# Altium PCB PCB-Tester-Relay-Board.PcbDoc (part 3 of 4)
Units mm, origin at the board's own origin, x right, y up, seen from the top; angles counter-clockwise.
Board outline 165 x 129 mm, 8 copper layers (Top Layer, Inner1, Inner2, Inner3, Inner4, Inner5, Inner6, Bottom Layer), stack 1.516 mm thick; 429 components, 373 nets, 1663 pads, 713 vias.
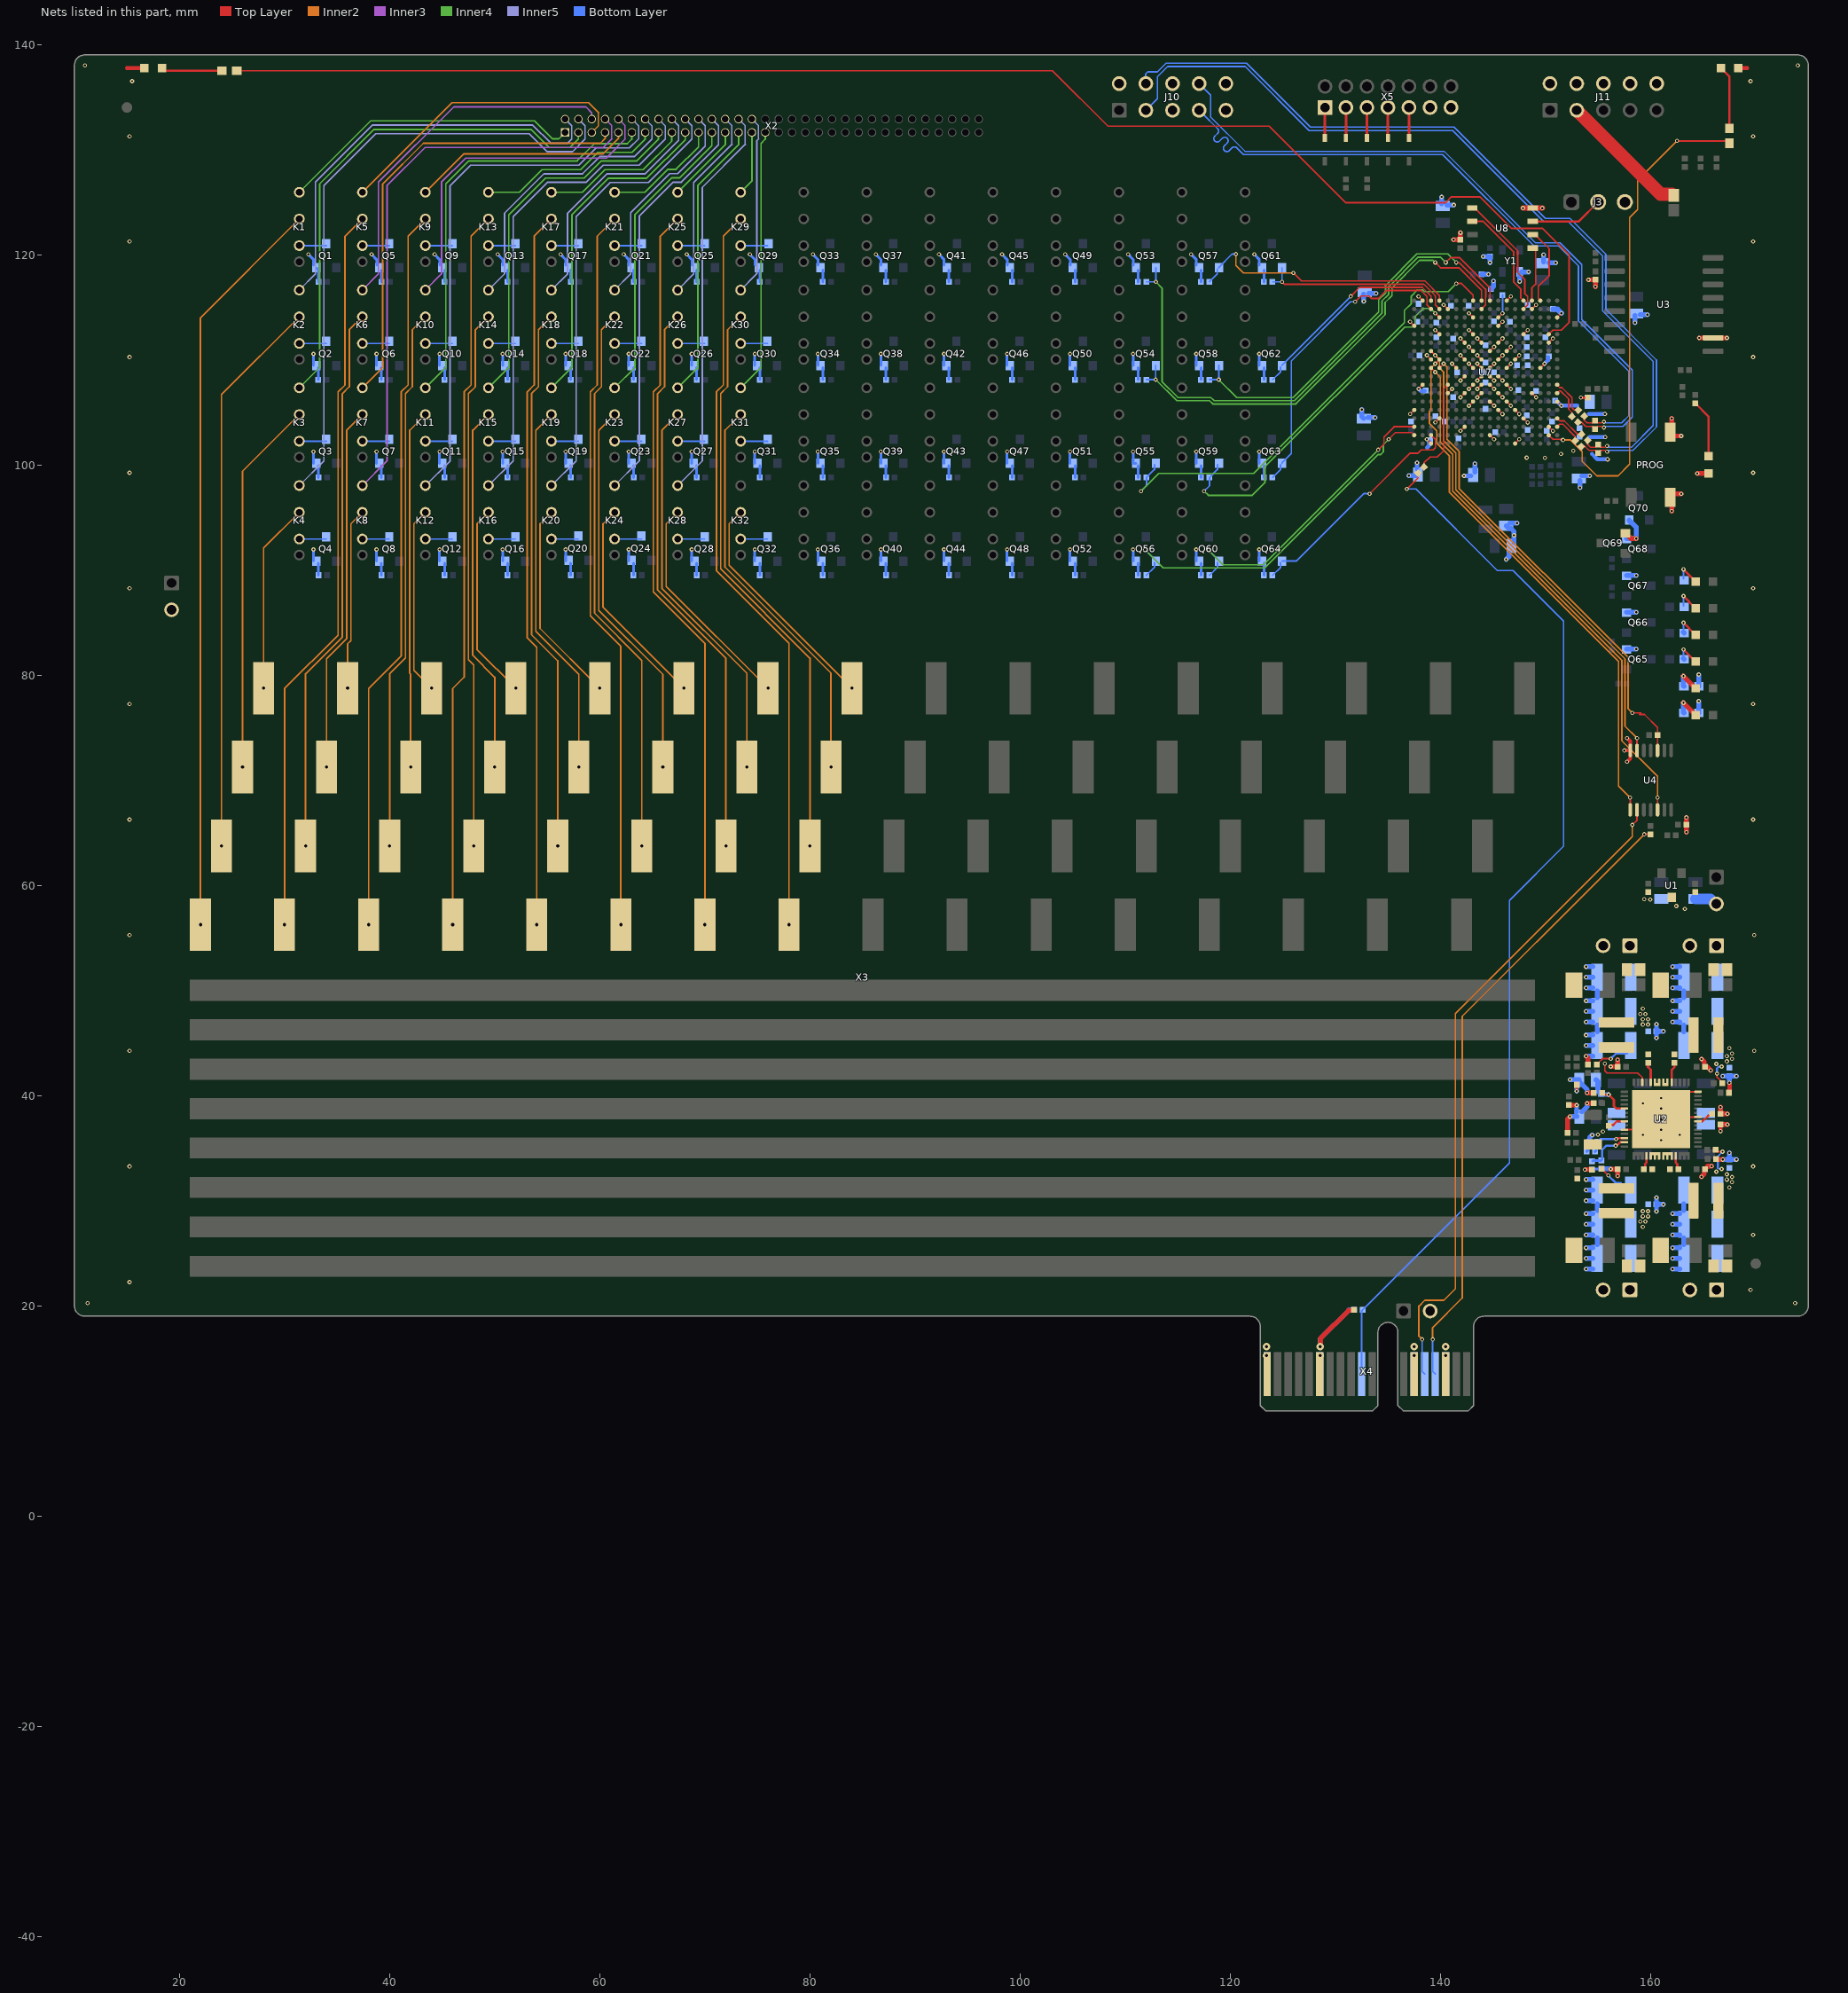
[diagram p9: the nets of this part, all layers, seen from the top]

## Via types
v1: diameter 0.4, hole 0.2, Top Layer to Bottom Layer, 631 vias
v2: diameter 0.7, hole 0.3, Top Layer to Bottom Layer, 82 vias

## Nets (pads, with @x,y where several pads share a name; then routed paths per layer and width w, separated by ;. In a path a pad name is that pad's centre, name@x,y a point inside that pad or via, vN(x,y) a via of type N, cw(c..) or ccw(c..) an arc to the next point about the centre after c; other vN are vias at no path point) (continued)
DRV53: Q53.1 R58.2 U7.A10 | length 53.5
  Top Layer w0.152: v1(140.5,119.25) 140.953,119.703 141.824,119.703 144.7,116.827 U7.A10@144.7,115.621
  Inner4 w0.152: v1(112.916,117.406) 113.5,116.822 113.5,107.932 115.028,106.404 118.148,106.404 118.454,106.098 126.112,106.098 134.426,114.412 134.426,115.576 135.079,116.229 135.079,116.955 137.883,119.759 139.991,119.759 v1(140.5,119.25)
  Bottom Layer w0.152: R58.2@112.025,117.406 v1(112.916,117.406) Q53.1@112.916,118.746
DRV54: Q54.1 R59.2 U7.A9 | length 43.1
  Top Layer w0.152: v1(139.5,119.25) 140,118.75 141.75,118.75 143.9,116.6 U7.A9@143.9,115.621
  Inner4 w0.152: v1(112.897,108.104) 114.902,106.1 118.022,106.1 118.328,105.794 126.239,105.794 134.731,114.286 134.731,115.45 135.384,116.103 135.384,116.828 138.009,119.454 139.287,119.454 139.491,119.25 v1(139.5,119.25)
  Bottom Layer w0.152: R59.2@112.006,108.104 v1(112.897,108.104) Q54.1@112.897,109.444
DRV55: Q55.1 R60.2 U7.A8 | length 45
  Top Layer w0.152: v1(141.5,117.25) 142,117.25 143.1,116.15 U7.A8@143.1,115.621
  Inner4 w0.152: v1(111.5,97.5) 113.19,99.19 122.235,99.19 136.57,113.524 136.57,114.688 137.223,115.341 137.223,116.067 137.796,116.64 138.295,116.64 138.462,116.474 140.724,116.474 v1(141.5,117.25)
  Bottom Layer w0.152: v1(111.5,97.5) 112.025,98.025 112.025,98.802 112.776,99.553 Q55.1@112.776,100.002
DRV56: Q56.1 R61.2 U7.U1 | length 34.7
  Top Layer w0.152: v1(135.069,102.431) 135.697,103.059 137.261,103.059 U7.U1@137.5,102.821
  Inner4 w0.152: v1(111.868,91.935) 113.611,90.192 123.261,90.192 134.035,100.966 134.289,100.966 134.563,101.24 134.563,101.925 v1(135.069,102.431)
  Bottom Layer w0.152: v1(111.868,91.935) Q56.1@112.589,91.214 ; R61.2@112.025,89.5 112.776,90.251 Q56.1@112.776,90.7
DRV57: Q57.1 R62.2 U7.A4 | length 25.8
  Top Layer w0.152: v1(126,118.25) 126.761,117.489 138.525,117.489 139.9,116.114 U7.A4@139.9,115.621
  Inner2 w0.152: v1(120.525,120.047) 120.525,118.975 121.25,118.25 v1(126,118.25)
  Bottom Layer w0.152: R62.2@118.006,117.406 118.757,118.157 Q57.1@118.757,118.606 ; Q57.1@118.916,118.746 118.916,118.796 120.167,120.047 v1(120.525,120.047)
DRV58: Q58.1 R63.2 U7.B9 | length 38.5
  Top Layer w0.127: 144.3,115.221 144.3,115.953
  Top Layer w0.152: v1(141.5,119.25) 141.523,119.227 141.778,119.227 144.3,116.706 144.3,115.953 ; U7.B9@143.9,114.821 144.3,115.221
  Inner4 w0.152: v1(118.897,108.104) 120.598,106.403 125.986,106.403 134.122,114.539 134.122,115.703 134.774,116.355 134.774,117.081 137.757,120.063 140.687,120.063 v1(141.5,119.25)
  Bottom Layer w0.152: R63.2@118.006,108.104 v1(118.897,108.104) Q58.1@118.897,109.444
DRV59: Q59.1 R64.2 U7.C4 | length 34.6
  Top Layer w0.152: v1(139.5,114.421) U7.C4@139.9,114.021
  Inner4 w0.152: v1(117.5,97.5) 117.899,97.101 122.088,97.101 123.291,98.304 123.291,99.801 136.599,113.11 137.286,113.11 137.576,113.399 137.576,114.097 138.363,114.884 139.037,114.884 v1(139.5,114.421)
  Bottom Layer w0.152: v1(117.5,97.5) 118.025,98.025 118.025,98.802 118.776,99.553 Q59.1@118.776,100.002
DRV60: Q60.1 R65.2 U7.T1 | length 28.6
  Top Layer w0.152: v1(134.069,101.431) 134.616,101.979 134.616,102.654 135.583,103.621 U7.T1@137.5,103.621
  Inner4 w0.152: v1(117.868,91.935) 119.306,90.497 123.135,90.497 v1(134.069,101.431)
  Bottom Layer w0.152: v1(117.868,91.935) Q60.1@118.589,91.214 ; R65.2@118.025,89.5 118.776,90.251 Q60.1@118.776,90.7
DRV61: Q61.1 R66.2 U7.B4 | length 18.8
  Top Layer w0.127: 139.5,115.221 139.5,116.021
  Top Layer w0.152: v1(124.916,117.406) 125.138,117.184 138.399,117.184 139.5,116.083 139.5,116.021 ; 139.5,115.221 U7.B4@139.9,114.821
  Bottom Layer w0.152: R66.2@124.025,117.406 v1(124.916,117.406) Q61.1@124.916,118.746
DRV62: Q62.1 R67.2 U7.A3 | length 19.6
  Top Layer w0.152: v1(131.453,116.03) 132.302,116.879 138.272,116.879 139.1,116.052 U7.A3@139.1,115.621
  Bottom Layer w0.152: R67.2@124.025,108.104 124.776,108.855 Q62.1@124.776,109.304 ; Q62.1@124.916,109.444 124.916,109.494 Q62.1@125.24,109.818 ; Q62.1@125.241,109.818 v1(131.453,116.03)
DRV63: Q63.1 R68.2 U7.B3 | length 29.1
  Top Layer w0.127: 138.7,115.221 138.7,116.021
  Top Layer w0.152: v1(131.877,115.506) 132.424,116.053 133.197,116.053 133.432,115.818 134.064,115.818 134.82,116.574 138.146,116.574 138.7,116.021 ; 138.7,115.221 U7.B3@139.1,114.821
  Bottom Layer w0.152: R68.2@124.025,98.802 124.776,99.553 Q63.1@124.776,100.002 ; Q63.1@124.916,100.142 124.916,100.192 125.24,100.516 125.804,101.08 125.804,109.878 131.432,115.506 v1(131.877,115.506)
DRV64: Q64.1 R69.2 U7.U3 | length 21.9
  Top Layer w0.127: 139.5,101.621 139.5,102.421
  Top Layer w0.152: v1(133.25,97.25) 137.115,101.115 137.865,101.115 138.169,101.418 139.297,101.418 139.5,101.621 ; U7.U3@139.1,102.821 139.5,102.421
  Bottom Layer w0.152: R69.2@124.025,89.5 124.776,90.251 Q64.1@124.776,90.7 ; Q64.1@124.916,90.84 126.27,90.84 132.68,97.25 v1(133.25,97.25)
ECLK_4: U7.A14 U8.6 | length 10.2
  Top Layer w0.152: U8.6@143.029,123.156 144.065,123.156 146.955,120.266 146.955,117.395 147.648,116.702 147.648,115.872 U7.A14@147.9,115.621
ECS_4: U7.A15 U8.1 | length 5
  Top Layer w0.152: U7.A15@148.7,115.621 148.7,116.847 149.056,117.204 U8.1@149.056,120.438
ESI_4: U7.B14 U8.5 | length 11.6
  Top Layer w0.127: 148.3,115.221 148.3,116.021
  Top Layer w0.152: U8.5@143.454,124.248 147.346,120.355 147.346,118.309 148.008,117.647 148.008,116.312 148.3,116.021 ; U7.B14@147.9,114.821 148.3,115.221
ESO_4: U7.A16 U8.2 | length 7.1
  Top Layer w0.152: U8.2@149.193,121.708 150.347,120.555 150.347,118.017 149.299,116.97 149.299,115.839 U7.A16@149.5,115.638
F_CS_4: R122.1 U4.3 U7.J4 | length 46.5
  Top Layer w0.152: U7.J4@139.9,109.221 v1(140.3,109.621) ; v1(158.25,76.4) 159.1,76.4 ; 158.95,76.25 159.414,76.25 160.65,75.013 U4.3@160.65,72.825
  Inner2 w0.152: v1(140.3,109.621) 140.61,109.311 140.61,102.438 141.767,101.28 141.767,97.758 157.861,81.664 157.861,76.789 v1(158.25,76.4)
F_HS1_4_N: R98.1 U7.M18 | length 3.3
  Top Layer w0.14: U7.M18@151.104,106.821 151.312,107.029 151.428,107.029 152.193,106.264 152.193,105.294 152.499,104.988 R98.1@152.499,104.603
F_HS1_4_P: R96.1 U7.L18 | length 3.6
  Top Layer w0.14: U7.L18@151.095,107.597 151.345,107.346 151.559,107.346 152.511,106.395 152.511,105.425 152.732,105.204 R96.1@153.112,105.204
F_HS2_4_N: R101.1 U7.T18 | length 2.7
  Top Layer w0.14: U7.T18@151.1,103.621 151.341,103.862 151.644,103.862 152.817,102.689 R101.1@152.817,102.304
F_HS2_4_P: R99.1 U7.R18 | length 3
  Top Layer w0.14: U7.R18@151.1,104.421 151.341,104.18 151.775,104.18 153.05,102.905 R99.1@153.43,102.905
F_MISO_4: U4.12 U7.J3 | length 51
  Top Layer w0.152: U7.J3@139.1,109.221 v1(139.5,108.821) ; U4.12@160.65,67.175 v1(160.65,68.35)
  Inner2 w0.152: v1(139.5,108.821) 139.978,108.342 139.978,102.161 141.158,100.982 141.158,97.505 157.251,81.412 157.251,73.76 160.65,70.361 v1(160.65,68.35)
F_MOSI_4: U4.8 U7.H4 | length 51.1
  Top Layer w0.152: v1(139.5,109.621) U7.H4@139.9,110.021 ; U4.8@158.05,67.175 v1(158.05,68.35)
  Inner2 w0.127: 139.1,105.221 139.1,109.221
  Inner2 w0.152: 139.1,105.221 138.955,105.076 138.955,103.901 139.64,103.216 139.64,102.035 140.853,100.823 140.853,97.379 156.946,81.286 156.946,69.454 v1(158.05,68.35) ; 139.1,109.221 v1(139.5,109.621)
F_SCLK_4: U4.6 U7.G3 | length 46.1
  Top Layer w0.152: U7.G3@139.1,110.821 v1(139.5,110.421) ; U4.6@158.7,72.825 v1(158.7,74)
  Inner2 w0.127: 139.9,109.221 139.9,110.021
  Inner2 w0.152: v1(139.5,110.421) 139.9,110.021 ; 139.9,109.221 140.293,108.827 140.293,102.29 141.462,101.121 141.462,97.632 157.556,81.538 157.556,75.144 v1(158.7,74)
FPGACLK_4: R43.2 U7.C11 | length 2.3
  Top Layer w0.152: U7.C11@145.5,114.021 v1(145.9,114.421)
  Bottom Layer w0.152: v1(145.9,114.421) R43.2@145.9,116.155
FUN_1: R127.1 R129.2 X4.A10 | length 101.7
  Top Layer w0.152: v1(136.8,97.7) 137.867,98.767 R127.1@137.867,99.217
  Bottom Layer w0.152: X4.A10@132.5,13.5 132.5,19.5 R129.2@132.6,19.6 146.567,33.567 146.567,58.567 151.718,63.718 151.718,85.132 146.9,89.95 145.4,89.95 137.65,97.7 v1(136.8,97.7)
FUNC_4: R127.2 U7.L5 | length 9.2
  Top Layer w0.127: 140.3,101.35 140.3,107.221
  Top Layer w0.152: R127.2@138.433,99.783 138.433,100.183 139,100.75 139.7,100.75 140.3,101.35 ; 140.3,107.221 U7.L5@140.7,107.621
GND: C1.2 C2.2 C3.2 C4.2 C6.2 C7.2 C8.2 C9.2 C10.2 C11.2 C12.2 C13.2 C14.2 C15.2 C16.2 C17.2 C18.2 C20.2 C21.2 C22.2 C23.2 C24.2 C25.2 C26.2 C27.2 C28.2 C29.2 C30.2 C31.2 C32.2 C33.2 C35.2 C36.2 C37.2 C38.2 C39.2 C40.2 C41.2 C42.2 C44.2 C45.2 C46.2 C47.2 C48.2 C49.2 C50.2 C51.2 C52.2 C53.2 C54.1 C55.2 C56.1 C310.2 C311.2 C312.2 C313.2 C314.2 C315.2 C316.2 C317.2 C318.2 C430.2 C431.2 C432.2 C433.2 C434.2 C435.2 C436.2 C437.2 C438.2 C439.2 C440.2 C441.2 C442.2 C443.2 C444.2 C445.2 C446.2 C447.2 C448.2 C449.2 C450.2 C451.2 C452.2 C453.2 C454.2 C455.2 C456.2 C457.2 C458.2 C459.2 C460.2 C461.2 C462.2 C463.2 C464.2 C465.2 C466.2 C467.2 C468.2 C469.2 C470.1 C470.2 C471.2 C476.2 C477.2 D5.2 D6.2 D7.1 D8.1 D9.1 D10.1 D11.1 DONE.2 J3.3 J10.2 J10.5 J10.6 J10.9 J10.10 J11.2 J11.4 J11.6 J11.8 J11.10 PROG.3 PROG.4 Q1.2 Q2.2 Q3.2 Q4.2 Q5.2 Q6.2 Q7.2 Q8.2 Q9.2 Q10.2 Q11.2 Q12.2 Q13.2 Q14.2 Q15.2 Q16.2 Q17.2 Q18.2 Q19.2 Q20.2 Q21.2 Q22.2 Q23.2 Q24.2 Q25.2 Q26.2 Q27.2 Q28.2 Q29.2 Q30.2 Q31.2 Q32.2 Q33.2 Q34.2 Q35.2 Q36.2 Q37.2 Q38.2 Q39.2 Q40.2 Q41.2 Q42.2 Q43.2 Q44.2 Q45.2 Q46.2 Q47.2 Q48.2 Q49.2 Q50.2 Q51.2 Q52.2 Q53.2 Q54.2 Q55.2 Q56.2 Q57.2 Q58.2 Q59.2 Q60.2 Q61.2 Q62.2 Q63.2 Q64.2 Q65.2 Q66.2 Q67.2 Q68.2 Q69.2 Q70.2 R1.1 R2.1 R3.1 R4.1 R5.1 R6.1 R7.1 R8.1 R9.1 R10.1 R11.1 R12.1 R13.1 R14.1 R15.1 R16.1 R17.1 R18.1 R19.1 R20.1 R21.1 R22.1 R23.1 R24.1 R25.1 R26.1 R27.1 R28.1 R29.1 R30.1 R31.1 R32.1 R33.1 R34.1 R35.1 R36.1 R37.1 R38.1 R39.1 R40.1 R41.1 R42.1 R47.2 R48.1 R49.1 R50.1 R51.1 R52.1 R53.1 R54.1 R55.1 R56.1 R57.1 R58.1 R59.1 R60.1 R61.1 R62.1 R63.1 R64.1 R65.1 R66.1 R67.1 R68.1 R69.1 R70.1 R75.2 R76.1 R83.2 R84.1 R86.1 R87.1 R90.2 R91.1 R110.1 R125.1 R126.1 R129.1 R130.1 TP1.2 TP2.2 TP3.2 TP4.2 TP5.2 TP6.2 TP7.2 U1.3 U2.22 U2.28 U2.40 U2.50 U2.52 U2.57 U3.10 U4.7 U7.A2 U7.A12 U7.B5 U7.B15 U7.C8 U7.C18 U7.D1 U7.D11 U7.E4 U7.E8 U7.E14 U7.F7 U7.F9 U7.F11 U7.F17 U7.G8 U7.G10 U7.G12 U7.H3 U7.H7 U7.H9 U7.H11 U7.H13 U7.J6 U7.J8 U7.J9 U7.J10 U7.J12 U7.J16 U7.K7 U7.K9 U7.K10 U7.K11 U7.L2 U7.L8 U7.L9 U7.L10 U7.L12 U7.M5 U7.M7 U7.M9 U7.M11 U7.M15 U7.N8 U7.N10 U7.N12 U7.N18 U7.P1 U7.P11 U7.P13 U7.R4 U7.R14 U7.T7 U7.T17 U7.U10 U7.V3 U7.V13 U8.4 X4.A1 X4.A6 X4.A13 X4.A16 X4.B1 X4.B6 X4.B13 X4.B16 X5.1 X5.3 X5.5 X5.7 X5.9 X5.11 X5.13 Y1.2 | length 335.3
  Top Layer w0.152: v1(137.1,113.621) U7.D1@137.5,113.221 ; v1(137.104,104.825) U7.P1@137.504,105.225 ; v1(137.9,116.021) U7.A2@138.3,115.621 ; v1(137.904,107.225) U7.L2@138.304,107.625 ; v1(138.7,102.421) U7.V3@139.1,102.021 ; v1(138.704,110.425) U7.H3@139.104,110.025 ; v1(139.5,112.821) U7.E4@139.9,112.421 ; v1(139.504,104.025) U7.R4@139.904,104.425 ; v1(140.3,115.221) U7.B5@140.7,114.821 ; U7.M5@140.7,106.821 v1(141.1,107.221) ; v1(141.1,109.621) U7.J6@141.5,109.221 ; v1(141.9,106.421) U7.M7@142.3,106.821 ; v1(141.9,108.021) U7.K7@142.3,108.421 ; v1(141.9,110.421) U7.H7@142.3,110.021 ; v1(141.9,112.021) U7.F7@142.3,111.621 ; v1(141.904,103.225) U7.T7@142.304,103.625 ; v1(142.7,105.621) U7.N8@143.1,106.021 ; v1(142.7,107.221) U7.L8@143.1,107.621 ; v1(142.7,109.621) U7.J8@143.1,109.221 ; v1(142.7,111.221) U7.G8@143.1,110.821 ; v1(142.7,112.821) U7.E8@143.1,112.421 ; v1(142.7,114.421) U7.C8@143.1,114.021 ; v1(143.5,106.421) U7.M9@143.9,106.821 ; v1(143.5,107.221) U7.L9@143.9,107.621 ; v1(143.5,108.021) U7.K9@143.9,108.421 ; v1(143.5,109.621) U7.J9@143.9,109.221 ; v1(143.5,110.421) U7.H9@143.9,110.021 ; v1(143.5,112.021) U7.F9@143.9,111.621 ; U7.U10@144.7,102.821 v1(145.1,102.421) ; U7.N10@144.7,106.021 v1(145.1,105.621) ; U7.L10@144.7,107.621 v1(145.1,107.221) ; U7.K10@144.7,108.421 v1(145.1,108.021) ; U7.J10@144.7,109.221 v1(145.1,109.621) ; U7.G10@144.7,110.821 v1(145.1,111.221) ; U7.P11@145.5,105.221 v1(145.9,104.821) ; U7.M11@145.5,106.821 v1(145.9,106.421) ; U7.K11@145.5,108.421 v1(145.9,108.021) ; U7.H11@145.5,110.021 v1(145.9,110.421) ; U7.F11@145.5,111.621 v1(145.9,112.021) ; U7.D11@145.5,113.221 v1(145.9,113.621) ; U7.N12@146.3,106.021 v1(146.7,105.621) ; U7.L12@146.3,107.621 v1(146.7,107.221) ; U7.J12@146.3,109.221 v1(146.7,109.621) ; U7.G12@146.3,110.821 v1(146.7,111.221) ; U7.A12@146.3,115.621 v1(146.7,116.021) ; U7.V13@147.1,102.021 v1(147.5,102.421) ; U7.P13@147.1,105.221 v1(147.5,104.821) ; U7.H13@147.1,110.021 v1(147.5,110.421) ; U7.R14@147.9,104.421 v1(148.3,104.021) ; U7.E14@147.9,112.421 v1(148.3,112.821) ; U7.M15@148.7,106.821 v1(149.1,106.421) ; U7.B15@148.7,114.821 v1(149.1,115.221) ; U7.J16@149.5,109.221 v1(149.9,109.621) ; U7.T17@150.3,103.621 v1(150.7,103.221) ; U7.F17@150.3,111.621 v1(150.7,112.021) ; U7.N18@151.1,106.021 v1(151.5,105.621) ; U7.C18@151.1,114.021 v1(151.5,114.421) ; v1(155.627,43.019) 155.627,42.361 155.844,42.143 158.759,42.143 159.199,41.704 U2.40@159.199,41.251 ; U2.52@157.5,36.75 160,36.75 v1(161,37.75) U2.57@161.2,37.95 ; U2.22@164.5,37.95 U2.57@161.2,37.95 ; U2.28@164.5,40.35 163.6,40.35 U2.57@161.2,37.95
  Top Layer w0.22: C18.2@156,37.1 156.113,37.213 156.463,37.213 156.8,37.55 U2.50@157.5,37.55
  Top Layer w0.254: D10.1@129,131.1 X5.1@129,134 ; D7.1@131,131.1 X5.3@131,134 ; D8.1@133,131.1 X5.5@133,134 ; D9.1@135,131.1 X5.7@135,134 ; D11.1@137,131.1 X5.9@137,134 ; v1(152.954,40.419) 152.958,40.424 152.958,41.017 R47.2@152.962,41.021 ; v1(153.356,106.387) R110.1@154.037,106.387
  Top Layer w0.35: 14.99,137.743 16.668,137.743 D6.2@16.675,137.75 ; v1(157.5,72.825) U4.7@158.05,72.825 ; v1(157.75,71.75) 158.05,72.05 U4.7@158.05,72.825 ; v1(157.75,74) 158.05,73.7 U4.7@158.05,72.825 ; D5.2@168.325,137.75 169.2,137.75
  Top Layer w0.406: v1(153.75,32.95) R91.1@154.4,32.95 ; v1(166.65,36.6) C32.2@166.65,37.25 ; R76.1@167.5,40.343 v1(167.5,41.2)
  Top Layer w0.457: v2(128.55,16.1) 128.578,16.128 128.578,16.878 131.254,19.554 131.704,19.554 R130.1@131.75,19.6 ; v1(141.234,121.413) C54.1@141.897,121.413 v1(141.897,122.077) ; R83.2@152.086,36.45 152.086,37.751 v1(152.323,37.989) ; R75.2@152.216,39.113 152.248,39.081 v1(152.954,39.081) ; R47.2@152.962,41.021 R47.2@152.996,40.988 ; v1(153.85,43.75) 154.014,43.586 R70.1@154.014,42.939 ; v1(153.95,39.25) C29.2@154.6,39.25 ; v1(153.95,40.25) C31.2@154.6,40.25 ; v1(154.086,117.6) C55.2@154.75,117.6 v1(154.75,116.936) ; v1(156.2,33) C46.2@156.85,33 v1(156.85,32.35) ; v1(156.2,42.75) C8.2@156.85,42.75 v1(156.85,43.4) ; v1(162,95.586) PROG.3@162,96.25 ; PROG.4@162,103.75 v1(162,104.414) ; PROG.3@162.25,97.25 v1(162.914,97.25) ; PROG.4@162.25,102.75 v1(162.914,102.75) ; v1(163.4,65.045) C56.1@163.4,65.75 v1(163.4,66.456) ; v1(164.436,99.175) DONE.2@165.5,99.175 ; v1(164.615,112.075) U3.10@165.315,112.075 ; v1(164.824,32.277) 164.84,32.277 165.107,32.545 C37.2@165.107,32.957 ; v1(164.839,43.469) 165.104,43.204 C22.2@165.104,42.75 ; C37.2@165.15,33 165.425,33.275 v1(165.8,33.275) ; C22.2@165.15,42.75 165.355,42.75 v1(165.706,42.399) ; R84.1@166.211,33.96 166.258,33.913 166.484,33.913 166.498,33.9 v1(166.85,33.9) ; U3.10@166.555,112.075 v1(167.255,112.075) ; C32.2@166.65,37.25 v1(167.3,37.25) ; v1(166.65,38.9) C33.2@166.65,38.25 v1(167.3,38.25) ; R76.1@167.449,40.261 R76.1@167.495,40.308
  Top Layer w0.47: Q69.2@157.6,93.5 157.65,93.5 157.815,93.335 157.815,93.285 158.126,92.974 v1(158.63,92.974)
  Top Layer w0.508: v1(147.85,124.426) U8.4@148.77,124.426 v1(149.69,124.426)
  Bottom Layer w0.254: v1(32.277,120.016) 32.765,119.528 Q1.2@32.765,118.998 ; Q4.2@32.75,90.84 v1(32.75,91.948) ; Q3.2@32.75,100.142 v1(32.75,101.25) ; Q2.2@32.75,109.444 v1(32.75,110.552) ; Q1.2@33.016,118.746 33.225,118.538 R1.1@33.225,117.406 ; R4.1@33.225,89.5 Q4.2@33.225,90.632 ; R3.1@33.225,98.802 Q3.2@33.225,99.934 ; R2.1@33.225,108.104 Q2.2@33.225,109.236 ; v1(38.277,120.016) 38.765,119.528 Q5.2@38.765,118.998 ; Q8.2@38.75,90.84 v1(38.75,91.948) ; Q7.2@38.75,100.142 v1(38.75,101.25) ; Q6.2@38.75,109.444 v1(38.75,110.552) ; R8.1@39.225,89.5 Q8.2@39.225,90.632 ; R7.1@39.225,98.802 Q7.2@39.225,99.934 ; R6.1@39.225,108.104 Q6.2@39.225,109.236 ; R5.1@39.225,117.406 Q5.2@39.225,118.538 ; v1(44.277,120.016) 44.765,119.528 Q9.2@44.765,118.998 ; Q12.2@44.75,90.84 v1(44.75,91.948) ; Q11.2@44.75,100.142 v1(44.75,101.25) ; Q10.2@44.75,109.444 v1(44.75,110.552) ; R12.1@45.225,89.5 Q12.2@45.225,90.632 ; R11.1@45.225,98.802 Q11.2@45.225,99.934 ; R10.1@45.225,108.104 Q10.2@45.225,109.236 ; R9.1@45.225,117.406 Q9.2@45.225,118.538 ; v1(50.277,120.016) 50.765,119.528 Q13.2@50.765,118.998 ; Q16.2@50.75,90.84 v1(50.75,91.948) ; Q15.2@50.75,100.142 v1(50.75,101.25) ; Q14.2@50.75,109.444 v1(50.75,110.552) ; R16.1@51.225,89.5 Q16.2@51.225,90.632 ; R15.1@51.225,98.802 Q15.2@51.225,99.934 ; R14.1@51.225,108.104 Q14.2@51.225,109.236 ; R13.1@51.225,117.406 Q13.2@51.225,118.538 ; v1(56.277,120.016) 56.765,119.528 Q17.2@56.765,118.998 ; Q20.2@56.75,90.84 v1(56.75,91.948) ; Q19.2@56.75,100.142 v1(56.75,101.25) ; Q18.2@56.75,109.444 v1(56.75,110.552) ; R20.1@57.225,89.5 Q20.2@57.225,90.632 ; R19.1@57.225,98.802 Q19.2@57.225,99.934 ; R18.1@57.225,108.104 Q18.2@57.225,109.236 ; R17.1@57.225,117.406 Q17.2@57.225,118.538 ; v1(62.277,120.016) 62.765,119.528 Q21.2@62.765,118.998 ; Q24.2@62.75,90.84 v1(62.75,91.948) ; Q23.2@62.75,100.142 v1(62.75,101.25) ; Q22.2@62.75,109.444 v1(62.75,110.552) ; R24.1@63.225,89.5 Q24.2@63.225,90.632 ; R23.1@63.225,98.802 Q23.2@63.225,99.934 ; R22.1@63.225,108.104 Q22.2@63.225,109.236 ; R21.1@63.225,117.406 Q21.2@63.225,118.538 ; v1(68.277,120.016) 68.765,119.528 Q25.2@68.765,118.998 ; Q28.2@68.75,90.84 v1(68.75,91.948) ; Q27.2@68.75,100.142 v1(68.75,101.25) ; Q26.2@68.75,109.444 v1(68.75,110.552) ; R28.1@69.225,89.5 Q28.2@69.225,90.632 ; R27.1@69.225,98.802 Q27.2@69.225,99.934 ; R26.1@69.225,108.104 Q26.2@69.225,109.236 ; R25.1@69.225,117.406 Q25.2@69.225,118.538 ; v1(74.277,120.016) 74.765,119.528 Q29.2@74.765,118.998 ; Q32.2@74.75,90.84 v1(74.75,91.948) ; Q31.2@74.75,100.142 v1(74.75,101.25) ; Q30.2@74.75,109.444 v1(74.75,110.552) ; R32.1@75.225,89.5 Q32.2@75.225,90.632 ; R31.1@75.225,98.802 Q31.2@75.225,99.934 ; R30.1@75.225,108.104 Q30.2@75.225,109.236 ; R29.1@75.225,117.406 Q29.2@75.225,118.538 ; v1(80.277,120.016) 80.765,119.528 Q33.2@80.765,118.998 ; Q36.2@80.75,90.84 v1(80.75,91.948) ; Q35.2@80.75,100.142 v1(80.75,101.25) ; Q34.2@80.75,109.444 v1(80.75,110.552) ; R36.1@81.225,89.5 Q36.2@81.225,90.632 ; R35.1@81.225,98.802 Q35.2@81.225,99.934 ; R34.1@81.225,108.104 Q34.2@81.225,109.236 ; R33.1@81.225,117.406 Q33.2@81.225,118.538 ; v1(86.277,120.016) 86.765,119.528 Q37.2@86.765,118.998 ; Q40.2@86.75,90.84 v1(86.75,91.948) ; Q39.2@86.75,100.142 v1(86.75,101.25) ; Q38.2@86.75,109.444 v1(86.75,110.552) ; R40.1@87.225,89.5 Q40.2@87.225,90.632 ; R39.1@87.225,98.802 Q39.2@87.225,99.934 ; R38.1@87.225,108.104 Q38.2@87.225,109.236 ; R37.1@87.225,117.406 Q37.2@87.225,118.538 ; v1(92.277,120.016) 92.765,119.528 Q41.2@92.765,118.998 ; Q44.2@92.75,90.84 v1(92.75,91.948) ; Q43.2@92.75,100.142 v1(92.75,101.25) ; Q42.2@92.75,109.444 v1(92.75,110.552) ; R49.1@93.225,89.5 Q44.2@93.225,90.632 ; R48.1@93.225,98.802 Q43.2@93.225,99.934 ; R42.1@93.225,108.104 Q42.2@93.225,109.236 ; R41.1@93.225,117.406 Q41.2@93.225,118.538 ; v1(98.277,120.016) 98.765,119.528 Q45.2@98.765,118.998 ; Q48.2@98.75,90.84 v1(98.75,91.948) ; Q47.2@98.75,100.142 v1(98.75,101.25) ; Q46.2@98.75,109.444 v1(98.75,110.552) ; R53.1@99.225,89.5 Q48.2@99.225,90.632 ; R52.1@99.225,98.802 Q47.2@99.225,99.934 ; R51.1@99.225,108.104 Q46.2@99.225,109.236 ; R50.1@99.225,117.406 Q45.2@99.225,118.538 ; v1(104.277,120.016) 104.765,119.528 Q49.2@104.765,118.998 ; Q52.2@104.75,90.84 v1(104.75,91.948) ; Q51.2@104.75,100.142 v1(104.75,101.25) ; Q50.2@104.75,109.444 v1(104.75,110.552) ; R57.1@105.225,89.5 Q52.2@105.225,90.632 ; R56.1@105.225,98.802 Q51.2@105.225,99.934 ; R55.1@105.225,108.104 Q50.2@105.225,109.236 ; R54.1@105.225,117.406 Q49.2@105.225,118.538 ; v1(110.277,120.016) 110.765,119.528 Q53.2@110.765,118.998 ; Q56.2@110.75,90.84 v1(110.75,91.948) ; v1(110.75,101.25) 110.75,100.142 Q55.2@111.016,100.142 ; Q54.2@110.75,109.444 v1(110.75,110.552) ; R61.1@111.225,89.5 Q56.2@111.225,90.632 ; R60.1@111.225,98.802 Q55.2@111.225,99.934 ; R59.1@111.225,108.104 Q54.2@111.225,109.236 ; R58.1@111.225,117.406 Q53.2@111.225,118.538 ; v1(116.277,120.016) 116.765,119.528 Q57.2@116.765,118.998 ; Q60.2@116.75,90.84 v1(116.75,91.948) ; Q59.2@116.75,100.142 v1(116.75,101.25) ; Q58.2@116.75,109.444 v1(116.75,110.552) ; R65.1@117.225,89.5 Q60.2@117.225,90.632 ; R64.1@117.225,98.802 Q59.2@117.225,99.934 ; R63.1@117.225,108.104 Q58.2@117.225,109.236 ; R62.1@117.225,117.406 Q57.2@117.225,118.538 ; v1(122.277,120.016) 122.765,119.528 Q61.2@122.765,118.998 ; Q64.2@122.75,90.84 v1(122.75,91.948) ; Q63.2@122.75,100.142 v1(122.75,101.25) ; Q62.2@122.75,109.444 v1(122.75,110.552) ; R69.1@123.225,89.5 Q64.2@123.225,90.632 ; R68.1@123.225,98.802 Q63.2@123.225,99.934 ; R67.1@123.225,108.104 Q62.2@123.225,109.236 ; R66.1@123.225,117.406 Q61.2@123.225,118.538 ; R86.1@153.905,34.667 154.029,34.791 154.029,35.433 154.063,35.467 C47.2@154.1,35.467 ; R87.1@154.485,32.973 154.51,32.998 155.264,32.998 C48.2@155.289,33.024